# Altium PCB PCB1.PcbDoc (continued)
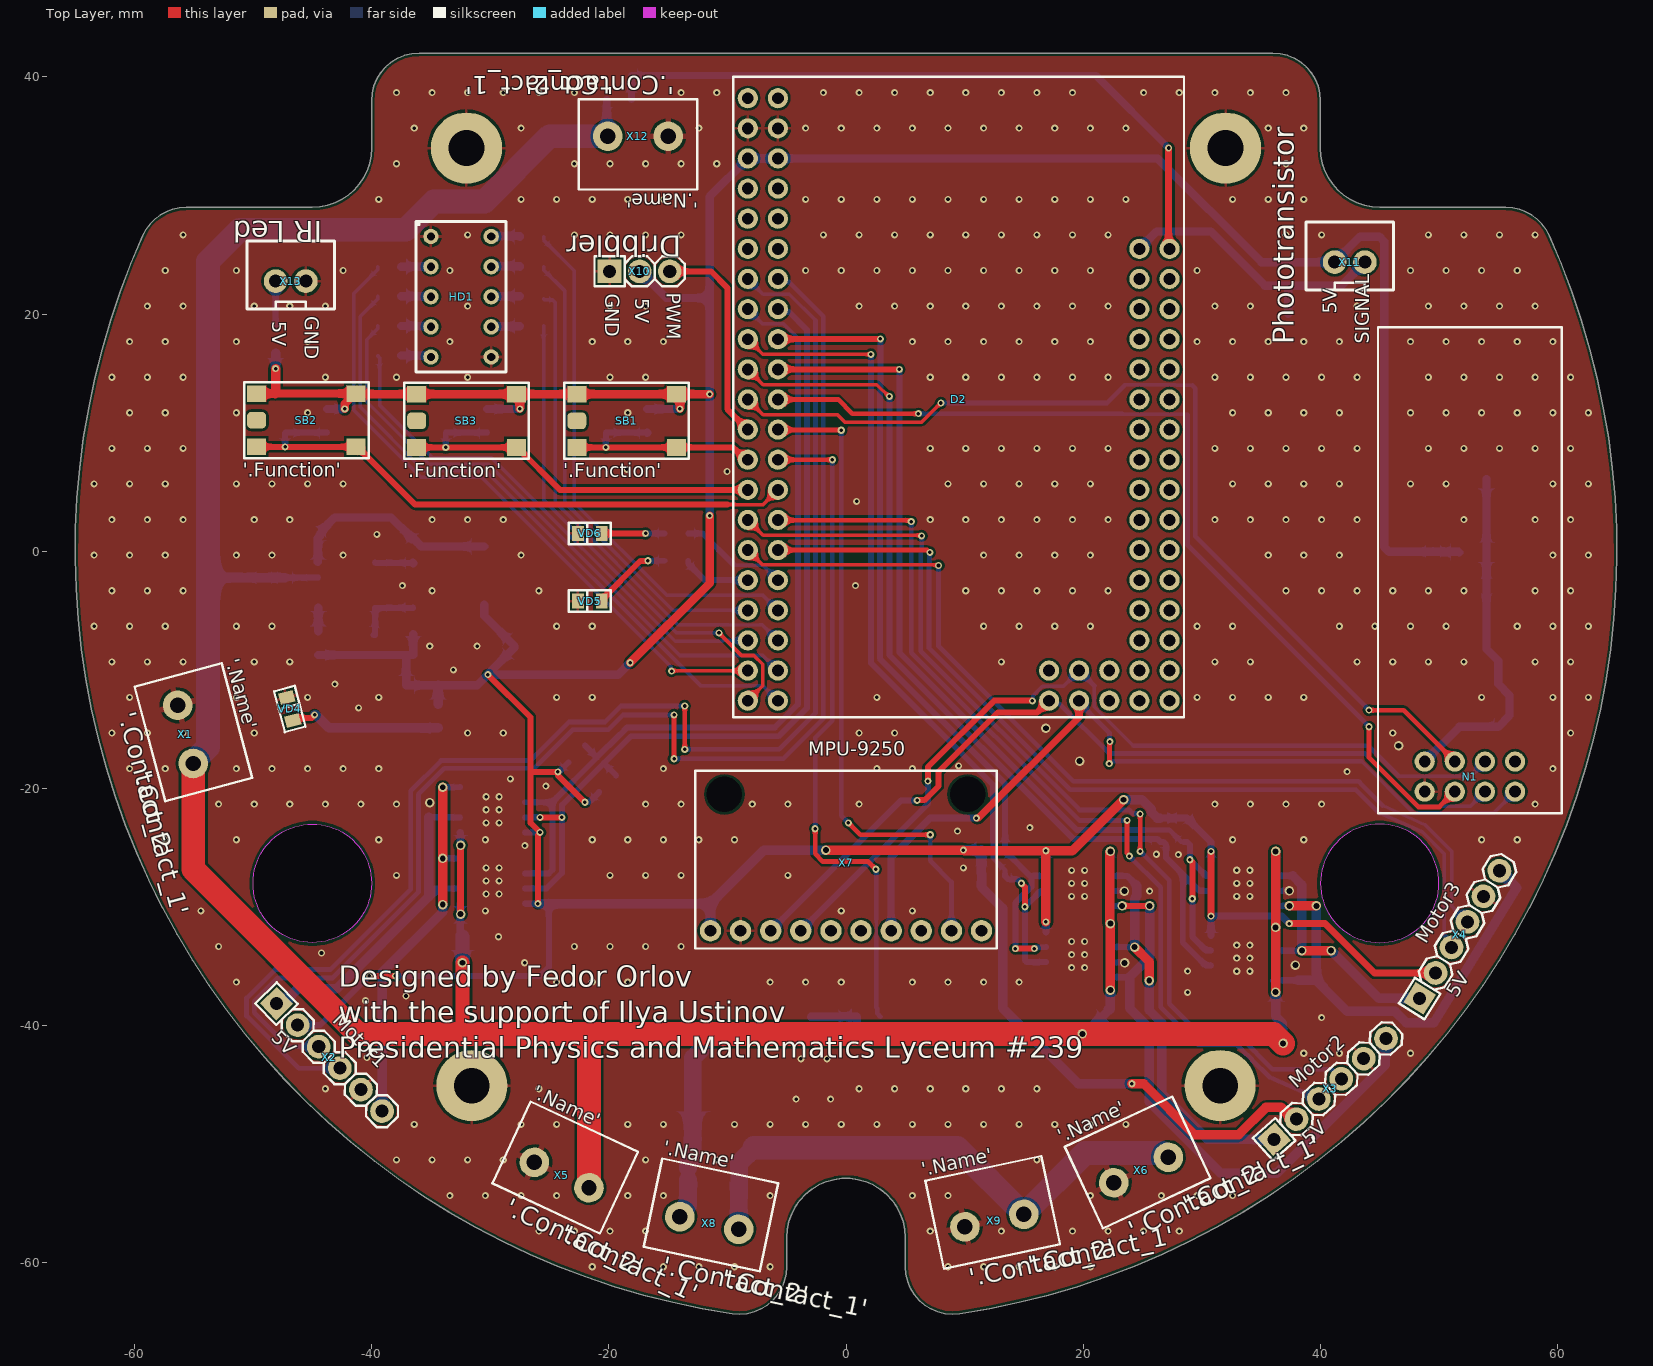
[diagram p0: Top Layer view]
## Footprints (in the part's own frame and the unit in brackets; to place one, negate y for a bottom-side part, rotate by r counter-clockwise, add the part's x,y. Pads: shape width x height; smd on the part's side, far side on the other; paste and mask are expansions set on the pad) (continued)
  oval 1.45x0.6 smd: 1(-2.725,1.905) 2(-2.725,0.635) 3(-2.725,-0.635) 4(-2.725,-1.905) 5(2.725,-1.905) 6(2.725,-0.635) 7(2.725,0.635) 8(2.725,1.905)
  rect 2.4x3.1 smd: 9(0,0)
  silkscreen extent -2.85,-2.5 1.6,2.88, body extent -3,-2.5 3,2.5, height 1.7
SOT223_M [mm] "SOT223, 4-Leads, Body 6.5x3.5mm, Pitch 2.3mm, Lead Span 7mm, IPC Low Density"
  rect 1.7x1.4 smd: 1(-3.1,2.3) 2(-3.1,0) 3(-3.1,-2.3)
  rect 1.7x4 smd: 2(3.1,0)
  silkscreen extent -3.07,-3.35 1.9,3.48, body extent -1.85,-3.35 1.85,3.35, height 1.7
"TANTAL CAPACITOR C" [mm] "Tatntalum capacitor, C package"
  rect 2.03x2.28 smd: 1(-2.54,0) 2(2.54,0)
  silkscreen extent -3.83,-1.6 3.83,1.6, body extent -3,-1.6 3,1.6, height 2.51
"TANTAL CAPACITOR D" [mm]
  rect 2.6x4.3 smd: 1(-3.65,0) 2(3.65,0)
  silkscreen extent -3.65,-2.4 3.65,2.4, body extent -3.67,-2.15 3.67,2.15, height 2.91

## Part data
C1 C2 C3 C5 C6 C10 C11 C12: library part "Capacitor ceramic", "Конденсатор кер."
C4 C7 C8 C9 C13: library part "Capacitor tantal", "Конденсатор пол."
D1: "DC-DC преобразователь"
D2: "Микроконтроллер"
D3 D4 D5 D6 D7 D8: "Драйвер моторов"
L1: library part "Throttle B82472G"
R1 R2 R3 R4 R5 R6 R7 R8 R9 R10 R11 R12 R13 R14 R15 R16 R17 R18 R19 R20 R21 R22 R23 R24 R25 R26 R27 R28 R29: library part "Резистор  0,125Вт", "Резистор  0,125Вт", Power rating=0,125Вт
SB1 SB2 SB3: library part Button_SMD, "Кнопка без фиксации"
  SB1: Function=CH+
  SB2: Function=CH-
  SB3: Function=ENTER
VD1: library part "Diode TVS", "Защитный диод (Супрессор)", Name="SMAJ 5.0"
VD2 VD3: library part DiodeSchottky, "Диод Шоттки"
  VD3: Imax=1A, Name=10BQ100, Vr=100V
VD4 VD5 VD6: library part LED, "Светодиод SMD", Forward voltage; 25мА=2,15В, Manufacturer=KGB, Max. forward current (continuous)=25мА, Package=0603
VT1: library part N_MOSFET, "N-канальный транзистор", Max. drain current (continuous); 25C=82, Max. voltage drain-to-source=75, Name=IRF2807STRLPBF
X1 X5 X6 X8 X9 X11 X12 X13: library part Header_2_plg, "Разъем - 2 конт. вилка"
  X1: Contact_1=+, Contact_2=-, Name=Battery
  X5: Contact_1=+, Contact_2=-, Name="OUT 12V"
  X6: Contact_1=+, Contact_2=-, Name="IN 50V"
  X8: Contact_1=+, Contact_2=-, Name=SOLENOID
  X9: Contact_1=+, Contact_2=-, Name=Capacitor
  X11: Contact_1=Contact_1, Contact_2=Contact_2, Name=phototransistor
  X12: Contact_1=+, Contact_2=-, Name="12V DRIBBLER"
  X13: Contact_1=Contact_1, Contact_2=Contact_2, Name="IR Led"
X2 X3 X4: library part Header_6_plg, "Разъем - 6 конт. вилка", Contact_1=Contact_1, Contact_2=5V, Contact_3=Contact_3, Contact_4=Contact_4, Contact_6=Contact_6
  X2: Contact_5=GNG
  X3 X4: Contact_5=GND
X10: library part Header_3_plg, "Разъем - 3 конт. вилка", Contact_1=Contact_1, Contact_2=Contact_2, Contact_3=Contact_3

## Free pads (board coordinates)
  round 6 hole 3: 1(-32,34) 1(-31.547,-45.053) 1(31.547,-45.053) 1(32,34)

## Via types
v1: diameter 0.6, hole 0.3, Top Layer to Bottom Layer, tented both sides, 616 vias
v2: diameter 0.8, hole 0.5, Top Layer to Bottom Layer, tented both sides, 32 vias

## Nets (pads, with @x,y where several pads share a name; then routed paths per layer and width w, separated by ;. In a path a pad name is that pad's centre, name@x,y a point inside that pad or via, vN(x,y) a via of type N, cw(c..) or ccw(c..) an arc to the next point about the centre after c; other vN are vias at no path point)
3.3V: C6.2 C13.1 D1.2 N1.2 | length 29.5
  Bottom Layer w0.7: N1.2@48.8,-17.7 48.812,-17.7 51.712,-14.8 55,-14.8 55.95,-13.85 55.95,-12.15 55,-11.2 55,-10.79 55,-9.25 54,-8.25 C6.2 54,-0.1 D1.2@54,6.1
+5: C4.1 C5.2 C10.2 C11.2 C12.2 D1.3 D2.73 D3.4 D4.4 D5.4 D6.4 D7.4 D8.4 L1.1 R1.2 R2.1 R4.2 R6.2 R7.2 R8.2 R9.2 R24.2 R28.1 R29.2 SB1.1 SB2.1 SB3.1 VD1.1 X2.2 X3.2 X4.2 X7.1 X10.2 X11.1 | length 446.6
  Top Layer w0.5: v1(-40.2,-35.8) v1(-38,-35.8) ; v1(-30.2,-10.4) -26.604,-13.996 -26.604,-18.581 ; v1(-25.975,-29.705) -25.975,-23.907 -25.8,-23.732 v1(-25.8,-23.705) -26.604,-22.901 -26.604,-18.581 ; v1(-22.023,-21.165) -24.3,-18.888 v1(-24.3,-18.6) -26.585,-18.6 -26.604,-18.581
  Top Layer w0.6: v1(30.775,-30.759) v1(30.775,-25.3) ; v1(37.378,-31.4) 40.4,-31.4 44.556,-35.556 X4.2
  Top Layer w0.7: SB2.1@-49.7,13.248 -49.652,13.295 -48.131,13.295 -41.3,13.295 -41.4,13.295 -42.266,12.429 v1(-42.266,12) ; SB2.1@-41,13.248 -36.2,13.248 -27.8,13.248 -27.5,12.948 v1(-27.5,12) ; SB3.1@-27.5,13.248 -22.7,13.248 SB1.1@-14.3,13.248 ; v1(-18.2,-9.4) -11.5,-2.7 v1(-11.5,3) ; v1(-14,12) -14,12.947 SB1.1@-14.3,13.248 ; v1(-11.5,13.248) SB1.1@-14.3,13.248
  Top Layer w0.8: -48.131,13.295 -48.1,13.326 v1(-48.1,15.4) ; v2(-1.7,-25.2) v1(9.9,-25.2) 9.955,-25.255 v1(16.85,-25.255) ; v1(16.85,-31.255) v1(16.85,-25.255) ; v2(23.4,-20.954) 23.392,-20.954 19.091,-25.255 v1(16.85,-25.255) ; v1(24.1,-44.9) 25.1,-44.9 29.4,-49.2 33.1,-49.2 35.4,-46.9 36.68,-46.9 37.661,-47.881 X3.2
  Bottom Layer w0.5: X2.2 -44.357,-39.957 v1(-40.2,-35.8) ; v1(-38,-35.8) -25.8,-35.8 -25.058,-35.058 -25.058,-29.705 ; D3.4 v1(-25.975,-29.705) ; D6.4 v1(-25.8,-23.705) ; v1(-24.3,-18.6) -24.281,-18.581 -24.181,-18.581 R29.2 ; v1(-22.023,-21.165) -21.665,-21.165 R4.2
  Bottom Layer w0.6: D4.4 v1(16.85,-31.255) ; D7.4 v1(16.85,-25.255) ; R9.2 R8.2 28.75,-22.5 30.775,-24.525 v1(30.775,-25.3) D5.4 ; D8.4 v1(30.775,-30.759) 36.737,-30.759 v1(37.378,-31.4)
  Bottom Layer w0.7: R2.1 -37.041,-8.75 ; C11.2 v1(-42.266,12) ; R1.2@-36.5,-7 -36.5,-8.75 -37.041,-8.75 ; L1.1 -30.5,-5.46 C4.1 -27.96,-8.125 -30.2,-10.365 v1(-30.2,-10.4) ; C12.2 v1(-27.5,12) ; v1(-18.2,-9.4) -19.2,-10.4 v1(-30.2,-10.4) ; X10.2 -15.154,21.354 -11.5,21.354 ; C10.2 v1(-14,12) ; v1(-11.5,3) -11.5,21.354 ; D1.3 51.65,-0.05 49.55,-0.05 C5.2 49.459,-0.041 45.785,-0.041 45.375,0.369 45.375,26.115 44.965,26.525 43.355,26.525 X11.1 35.025,24.375 26.28,33.12 -5.74,33.12 -8.28,33.12 -11.5,29.9 -11.5,21.354 ; -37.041,-8.75 -37.085,-8.794 VD1.1 -34.4,-11.3 -31.1,-11.3 v1(-30.2,-10.4)
  Bottom Layer w0.8: v1(-48.1,15.4) R28.1 ; R24.2 -34.4,-11.3 ; v1(-25.975,-29.705) -25.058,-29.705 -11.43,-29.705 ; X7.1 -11.43,-29.705 ; v2(-1.7,-25.2) -6.925,-25.2 -11.43,-29.705 ; v1(9.9,-25.2) R6.2@11.371,-25.2 ; R6.2 R7.2 11.436,-27.175 11.436,-28.336 13.2,-30.1 13.2,-38.5 19.6,-44.9 v1(24.1,-44.9) ; v2(23.4,-20.954) 24.949,-20.954 25.754,-21.759 25.754,-22.004 26.25,-22.5 R9.2
"Ball sensor": D2.57 R27.2 X11.2 | length 24.9
  Bottom Layer w0.7: D2.57 26.194,26.954 30.757,26.954 35.315,22.396 37.225,22.396 ; R27.2 37.3,22.321 37.225,22.396 ; X11.2@43.827,24.457 41.766,22.396 37.225,22.396
"Battery voltage": D2.56 R5.1 R12.2 | length 58.4
  Top Layer w0.6: v1(27.2,34) 27.2,25.58 D2.56
  Bottom Layer w0.6: R5.1 R12.2 21.1,40.1 v1(27.2,34)
"Button CH+": C10.1 D2.17 R13.2 SB1.2 | length 19.6
  Top Layer w0.5: SB1.2@-22.7,8.752 v1(-20.25,8.752) -14.3,8.752 -9.51,8.752 -8.478,7.72 D2.17
  Bottom Layer w0.5: v1(-20.25,8.752) R13.2 C10.1
"Button CH-": C11.1 D2.18 R14.2 SB2.2 | length 51.2
  Top Layer w0.3: -10,3.926 -6.994,3.926 D2.18
  Top Layer w0.5: SB2.2@-49.7,8.8 v1(-47.3,8.8) -41.3,8.8 -41.2,8.8 -36.326,3.926 -10,3.926
  Bottom Layer w0.5: v1(-47.3,8.8) -47.3,9.95 R14.2 C11.1
"Button Enter": C12.1 D2.19 R15.2 SB3.2 | length 34
  Top Layer w0.5: SB3.2@-36.2,8.752 v1@-33.929,8.752 ; v1(-33.75,8.752) -27.8,8.752 -27.7,8.752 -24.128,5.18 D2.19
  Bottom Layer w0.5: v1(-33.75,8.752) R15.2 C12.1
"Chip enable NRF": D2.12 N1.3 | length 79.8
  Top Layer w0.4: D2.12 -0.671,12.8 0.529,11.6 v1(6.1,11.6) ; v1(44.1,-14.8) 44.1,-17.408 48.248,-21.556 50.036,-21.556 N1.3@51.328,-20.264
  Bottom Layer w0.3: 23.3,11.6 23.354,11.546 28.754,11.546 28.8,11.5
  Bottom Layer w0.4: v1(6.1,11.6) 23.3,11.6 ; 28.8,11.5 28.8,0.5 v1(44.1,-14.8)
"Chip Select MPU": D2.14 X7.9 | length 54.9
  Top Layer w0.4: D2.14 -5.71,10.23 -0.43,10.23 v1(-0.4,10.2) ; v1(0.2,-22.9) 1.2,-23.9 v1(7.1,-23.9)
  Bottom Layer w0.4: v1(-0.4,10.2) -0.4,-22.3 v1(0.2,-22.9) ; v1(7.1,-23.9) 7.1,-26.1 8.89,-27.89 X7.9
"Chip Select NRF": D2.13 N1.4 | length 82.2
  Top Layer w0.3: D2.13 -6.994,11.514 -0.718,11.514 -0.1,10.896 6.396,10.896 v1(8,12.5)
  Top Layer w0.4: v1(44.1,-13.4) 47.016,-13.4 N1.4@51.34,-17.724
  Bottom Layer w0.3: 23.5,14 23.554,14.054 27.799,14.054 27.853,14 29.2,14
  Bottom Layer w0.4: v1(8,12.5) 22,12.5 23.5,14 ; 29.2,14 29.454,13.746 29.454,1.246 v1(44.1,-13.4)
GND: C2.1 C3.1 C4.2 C5.1 C6.1 C7.2 C8.2 C9.2 C13.2 D1.1 D2.75 D3.1 D3.7 D3.9 D4.1 D4.7 D4.9 D5.1 D5.7 D5.9 D6.1 D6.7 D6.9 D7.1 D7.7 D7.9 D8.1 D8.7 D8.9 D9.2 D9.3 D9.6 HD1.5 HD1.10 N1.1 pad.1 R3.1 R11.1 R12.1 R13.1 R14.1 R15.1 R27.1 VD1.2 VD2.2 VD4.1 VD5.1 VD6.1 VT1.3 X1.2 X2.5 X3.5 X4.5 X5.2 X6.2 X7.2 X9.2 X10.1 X12.2 X13.2 | length 3.6
  Bottom Layer w0.5: D4.7@22.3,-34.6 22.359,-34.659 23.459,-34.659 v2(23.5,-34.7) ; D7.7 22.305,-28.645 23.47,-28.645 v2(23.475,-28.65) ; D5.7 v2(37.378,-28.635)
  other v1: -21.4,-60.325 -18.4,-60.325 -15.4,-60.325 -12.4,-60.325 -9.4,-60.325 -6.4,-60.325 8.6,-60.325 11.6,-60.325 14.6,-60.325 17.6,-60.325 20.6,-60.325 -25.9,-57.325 -22.9,-57.325 -19.9,-57.325 -16.9,-57.325 7.1,-57.325 13.1,-57.325 19.1,-57.325 22.1,-57.325 25.1,-57.325 28.1,-57.325 -33.4,-54.325 -30.4,-54.325 -27.4,-54.325 -24.4,-54.325 -18.4,-54.325 -15.4,-54.325 -6.4,-54.325 5.6,-54.325 8.6,-54.325 20.6,-54.325 26.6,-54.325 29.6,-54.325 32.6,-54.325 -37.9,-51.325 -34.9,-51.325 -31.9,-51.325 -28.9,-51.325 -16.9,-51.325 -10.9,-51.325 16.1,-51.325 -36.4,-48.325 -27.4,-48.325 -24.4,-48.325 -18.4,-48.325 -15.4,-48.325 -9.4,-48.325 -6.4,-48.325 -3.4,-48.325 -0.4,-48.325 2.6,-48.325 5.6,-48.325 8.6,-48.325 11.6,-48.325 14.6,-48.325 17.6,-48.325 20.6,-48.325 23.6,-48.325 -4.2,-46.2 -1.3,-46.2 -43.9,-45.325 -25.9,-45.325 1.1,-45.325 4.1,-45.325 7.1,-45.325 10.1,-45.325 13.1,-45.325 16.1,-45.325 -3.8,-42.8 -1.6,-42.8 -40.4,-42.7 38.6,-42.325 41.6,-42.325 47.6,-42.325 40.1,-39.325 -40.5,-37.9 -37.1,-37.5 28.8,-37.2 -51.4,-36.325 -24.4,-36.325 -21.4,-36.325 -18.4,-36.325 -6.4,-36.325 -3.4,-36.325 -0.4,-36.325 5.6,-36.325 8.6,-36.325 11.6,-36.325 14.6,-36.325 28.8,-35.4 32.95,-35.409 34.05,-35.409 19.025,-35.105 20.125,-35.105 -27.1,-34.7 32.95,-34.309 34.05,-34.309 19.025,-34.005 20.125,-34.005 -44.225,-33.875 -52.9,-33.325 -22.9,-33.325 -19.9,-33.325 -16.9,-33.325 -13.9,-33.325 32.95,-33.209 34.05,-33.209 19.025,-32.905 20.125,-32.905 -29.3,-32.5 -54.4,-30.325 -30.4,-30.325 -0.4,-30.325 5.6,-30.325 19.025,-29.105 20.125,-29.105 32.95,-29.1 34.05,-29.1 -30.35,-28.9 -29.25,-28.9 25.6,-28.65 19.025,-28.005 20.125,-28.005 32.95,-28 34.05,-28 -30.35,-27.8 -29.25,-27.8 -37.9,-27.325 -19.9,-27.325 -16.9,-27.325 -13.9,-27.325 -4.9,-27.325 19.025,-26.905 20.125,-26.905 32.95,-26.9 34.05,-26.9 -30.35,-26.7 -29.25,-26.7 9.9,-26.7 28.025,-25.575 26.175,-25.55 -27.075,-24.825 -57.4,-24.325 -51.4,-24.325 -39.4,-24.325 -30.4,-24.325 -21.4,-24.325 -18.4,-24.325 -15.4,-24.325 -12.4,-24.325 -9.4,-24.325 32.6,-24.325 38.6,-24.325 53.6,-24.325 56.6,-24.325 9.4,-23.6 15.5,-23.3 -30.35,-22.9 -29.25,-22.9 -30.35,-21.8 -29.25,-21.8 -58.9,-21.325 -52.9,-21.325 -49.9,-21.325 -46.9,-21.325 -43.9,-21.325 -40.9,-21.325 -37.9,-21.325 -16.9,-21.325 -13.9,-21.325 -7.9,-21.325 -4.9,-21.325 1.1,-21.325 31.1,-21.325 34.1,-21.325 37.1,-21.325 40.1,-21.325 58.1,-21.325 -30.35,-20.7 -29.25,-20.7 -25.3,-19.8 -28.3,-19.2 42.25,-18.575 -60.4,-18.325 -57.4,-18.325 -51.4,-18.325 -48.4,-18.325 -45.4,-18.325 -42.4,-18.325 -39.4,-18.325 -15.4,-18.325 2.6,-18.325 5.6,-18.325 59.6,-18.325 9.5,-18.1 -61.9,-15.325 -58.9,-15.325 -55.9,-15.325 -49.9,-15.325 -31.9,-15.325 -28.9,-15.325 1.1,-15.325 4.1,-15.325 46.1,-15.325 61.1,-15.325 -41.1,-13.2 -60.4,-12.325 -51.4,-12.325 -45.4,-12.325 -39.4,-12.325 -24.4,-12.325 -21.4,-12.325 2.6,-12.325 29.6,-12.325 32.6,-12.325 35.6,-12.325 38.6,-12.325 53.6,-12.325 59.6,-12.325 62.6,-12.325 -43.1,-11.2 -33.1,-10 -61.9,-9.325 -58.9,-9.325 -55.9,-9.325 -49.9,-9.325 -46.9,-9.325 13.1,-9.325 31.1,-9.325 34.1,-9.325 43.1,-9.325 46.1,-9.325 49.1,-9.325 52.1,-9.325 58.1,-9.325 61.1,-9.325 -35.1,-8 -31.1,-8 -63.4,-6.325 -60.4,-6.325 -57.4,-6.325 -51.4,-6.325 -48.4,-6.325 -24.4,-6.325 -21.4,-6.325 11.6,-6.325 14.6,-6.325 17.6,-6.325 20.6,-6.325 29.6,-6.325 32.6,-6.325 41.6,-6.325 44.6,-6.325 47.6,-6.325 50.6,-6.325 56.6,-6.325 59.6,-6.325 62.6,-6.325 -61.9,-3.325 -58.9,-3.325 -55.9,-3.325 -34.9,-3.325 -25.9,-3.325 10.1,-3.325 13.1,-3.325 16.1,-3.325 19.1,-3.325 22.1,-3.325 37.1,-3.325 40.1,-3.325 43.1,-3.325 46.1,-3.325 49.1,-3.325 52.1,-3.325 58.1,-3.325 61.1,-3.325 -37.4,-2.9 0.8,-2.9 -63.4,-0.325 -60.4,-0.325 -57.4,-0.325 -51.4,-0.325 -48.4,-0.325 -42.4,-0.325 -27.4,-0.325 11.6,-0.325 14.6,-0.325 17.6,-0.325 20.6,-0.325 35.6,-0.325 38.6,-0.325 41.6,-0.325 59.6,-0.325 62.6,-0.325 -39.55,1.425 -61.9,2.675 -58.9,2.675 -55.9,2.675 -49.9,2.675 -46.9,2.675 -34.9,2.675 -31.9,2.675 -28.9,2.675 7.1,2.675 10.1,2.675 13.1,2.675 16.1,2.675 19.1,2.675 22.1,2.675 31.1,2.675 34.1,2.675 37.1,2.675 40.1,2.675 43.1,2.675 52.1,2.675 58.1,2.675 61.1,2.675 0.9,4.2 -63.4,5.675 -60.4,5.675 -57.4,5.675 -51.4,5.675 -48.4,5.675 -45.4,5.675 -42.4,5.675 8.6,5.675 11.6,5.675 14.6,5.675 17.6,5.675 20.6,5.675 32.6,5.675 35.6,5.675 38.6,5.675 41.6,5.675 47.6,5.675 50.6,5.675 59.6,5.675 62.6,5.675 -10.025,6.725 -18.475,6.9 -61.9,8.675 -58.9,8.675 -55.9,8.675 7.1,8.675 10.1,8.675 13.1,8.675 16.1,8.675 19.1,8.675 22.1,8.675 31.1,8.675 34.1,8.675 37.1,8.675 40.1,8.675 43.1,8.675 49.1,8.675 52.1,8.675 55.1,8.675 58.1,8.675 61.1,8.675 -60.4,11.675 -57.4,11.675 -51.4,11.675 -45.4,11.675 -18.4,11.675 32.6,11.675 35.6,11.675 38.6,11.675 41.6,11.675 47.6,11.675 50.6,11.675 53.6,11.675 56.6,11.675 59.6,11.675 62.6,11.675 -61.9,14.675 -58.9,14.675 -55.9,14.675 -43.9,14.675 -37.9,14.675 -31.9,14.675 -19.9,14.675 -16.9,14.675 7.1,14.675 10.1,14.675 13.1,14.675 16.1,14.675 19.1,14.675 22.1,14.675 31.1,14.675 34.1,14.675 37.1,14.675 40.1,14.675 43.1,14.675 49.1,14.675 52.1,14.675 55.1,14.675 58.1,14.675 61.1,14.675 -60.4,17.675 -57.4,17.675 -51.4,17.675 -45.4,17.675 -33.4,17.675 -21.4,17.675 -18.4,17.675 -15.4,17.675 5.6,17.675 8.6,17.675 11.6,17.675 14.6,17.675 17.6,17.675 20.6,17.675 29.6,17.675 32.6,17.675 35.6,17.675 38.6,17.675 41.6,17.675 47.6,17.675 50.6,17.675 53.6,17.675 56.6,17.675 59.6,17.675 -58.9,20.675 -55.9,20.675 -49.9,20.675 -46.9,20.675 -43.9,20.675 -31.9,20.675 -19.9,20.675 -16.9,20.675 1.1,20.675 4.1,20.675 7.1,20.675 10.1,20.675 13.1,20.675 16.1,20.675 19.1,20.675 22.1,20.675 31.1,20.675 34.1,20.675 43.1,20.675 49.1,20.675 52.1,20.675 55.1,20.675 58.1,20.675 -57.4,23.675 -51.4,23.675 -42.4,23.675 -33.4,23.675 -3.4,23.675 -0.4,23.675 2.6,23.675 5.6,23.675 8.6,23.675 11.6,23.675 14.6,23.675 17.6,23.675 20.6,23.675 29.6,23.675 47.6,23.675 50.6,23.675 53.6,23.675 56.6,23.675 -55.9,26.675 -31.9,26.675 -22.9,26.675 -19.9,26.675 -16.9,26.675 -13.9,26.675 -1.9,26.675 1.1,26.675 4.1,26.675 7.1,26.675 10.1,26.675 13.1,26.675 16.1,26.675 19.1,26.675 22.1,26.675 37.1,26.675 40.1,26.675 49.1,26.675 52.1,26.675 55.1,26.675 58.1,26.675 -39.4,29.675 -27.4,29.675 -24.4,29.675 -21.4,29.675 -18.4,29.675 -15.4,29.675 -3.4,29.675 -0.4,29.675 2.6,29.675 5.6,29.675 8.6,29.675 11.6,29.675 14.6,29.675 17.6,29.675 20.6,29.675 23.6,29.675 32.6,29.675 35.6,29.675 38.6,29.675 -37.9,32.675 -22.9,32.675 -19.9,32.675 -16.9,32.675 -13.9,32.675 -10.9,32.675 37.1,32.675 -36.4,35.675 -27.4,35.675 -12.4,35.675 -3.4,35.675 -0.4,35.675 2.6,35.675 5.6,35.675 8.6,35.675 11.6,35.675 14.6,35.675 17.6,35.675 20.6,35.675 23.6,35.675 35.6,35.675 38.6,35.675 -37.9,38.675 -34.9,38.675 -31.9,38.675 -28.9,38.675 -25.9,38.675 -22.9,38.675 -13.9,38.675 -10.9,38.675 -1.9,38.675 1.1,38.675 4.1,38.675 7.1,38.675 10.1,38.675 13.1,38.675 16.1,38.675 19.1,38.675 25.1,38.675 28.1,38.675 31.1,38.675 34.1,38.675 37.1,38.675
  other v2: 37.9,-34.9 -35.1,-21.2 19.695,-17.7 46.6,-16.4 16.85,-14.925
"Light Blue": D2.24 R26.2 | length 9.2
  Bottom Layer w0.3: -9.5,-1.1 -9.414,-1.186 -6.994,-1.186 D2.24
  Bottom Layer w0.5: R26.2 -12.1,1.5 -9.5,-1.1
"Light Green": D2.25 R25.2 | length 5.8
  Bottom Layer w0.5: R25.2 -13.3,-1.05 -11.91,-2.44 D2.25
M1_enc1: D2.4 X2.3 | length 114.6
  Top Layer w0.4: v1(-14.5,-17.5) v1(-14.5,-13.8)
  Bottom Layer w0.4: X2.3 -47.028,-41.77 -49.885,-38.913 -49.885,-37.943 -47.917,-35.975 -43.275,-35.975 -36.054,-28.754 -36.054,-20.479 -33.875,-18.3 -26.304,-18.3 -23.058,-15.054 -20.054,-15.054 -18.8,-13.8 v1(-14.5,-13.8) ; v1(-14.5,-17.5) -5.298,-17.5 -1.908,-14.11 -1.908,19.808 -4.811,22.711 -5.491,22.711 D2.4
M1_enc2: D2.5 X2.4 | length 119.4
  Top Layer w0.4: v1(-13.6,-16.7) v1(-13.6,-13.046)
  Bottom Layer w0.3: D2.5 -6.994,21.674 -4.784,21.674 -2.562,19.452
  Bottom Layer w0.4: X2.4 -46.14,-43.583 -50.539,-39.184 -50.539,-37.672 -48.142,-35.275 -43.5,-35.275 -36.708,-28.483 -36.708,-20.617 -36.708,-20.208 -34.146,-17.646 -33.737,-17.646 -26.604,-17.646 -23.358,-14.4 -20.325,-14.4 -18.971,-13.046 v1(-13.6,-13.046) ; v1(-13.6,-16.7) -5.629,-16.7 -2.562,-13.633 -2.562,19.452
M1_IN1: D2.6 D3.3 D6.3 R4.1 | length 73.1
  Top Layer w0.5: v1(-25.8,-22.435) v1(-23.961,-22.435)
  Bottom Layer w0.5: D3.3 -25.262,-28.435 -23.961,-27.134 v1(-23.961,-22.435) -23.942,-22.416 -23.942,-21.408 -20.39,-17.856 ; D6.3 v1(-25.8,-22.435) ; R4.1 -20.39,-17.91 -20.39,-17.856 ; D2.6 -5.51,20.19 -4.81,20.19 -3.3,18.68 -3.3,-13.225 -5.675,-15.6 -18.134,-15.6 -20.39,-17.856
M1_IN2: D2.7 D3.2 D6.2 R29.1 | length 72.1
  Bottom Layer w0.3: D2.7 -7.026,19.166 -5.253,19.166 -4.054,17.967 -4.054,17.9
  Bottom Layer w0.5: D3.2 -25.058,-27.165 -24.765,-26.872 -24.765,-21.165 ; D6.2 -24.765,-21.165 ; R29.1 -21.003,-17.383 -19.12,-15.5 -19.1,-15.5 -18.446,-14.846 -5.987,-14.846 -4.054,-12.913 -4.054,17.9 ; -20.993,-17.393 -24.765,-21.165
M2_enc1: D2.20 X3.3 | length 79.5
  Top Layer w0.4: D2.20 -5.72,2.62 5.326,2.62 5.446,2.5 v1(5.5,2.5) ; v1(23.7,-22.696) 23.7,-25.446 23.9,-25.646 v1(23.9,-25.7)
  Bottom Layer w0.4: v1(5.5,2.5) 5.5,-8.538 19.658,-22.696 v1(23.7,-22.696) ; v1(23.9,-25.7) 26.55,-28.35 26.55,-38.44 29.592,-41.482 29.709,-41.599 32.949,-41.599 33.067,-41.717 33.7,-42.35 33.714,-42.364 cw(c31.547,-45.053) 34.236,-42.886 34.25,-42.9 35.679,-44.329 X3.3
M2_enc2: D2.21 X3.4 | length 83.3
  Top Layer w0.3: D2.21 -6.994,1.354 6.323,1.354 v1(6.377,1.3)
  Top Layer w0.4: v1(24.8,-25.3) v1(24.8,-22.154)
  Bottom Layer w0.4: v1(6.377,1.3) 6.377,0.271 6.3,0.193 6.3,-8.413 19.695,-21.808 23.878,-21.808 24.186,-22.116 24.762,-22.116 v1(24.8,-22.154) ; v1(24.8,-25.3) 27.25,-27.75 27.25,-38.15 30.025,-40.925 33.2,-40.925 34.153,-41.878 cw(c31.547,-45.053) 34.722,-42.447 35.95,-43.675 40.954,-43.675 X3.4
M2_IN1: D2.8 D4.3 D7.3 R6.1 | length 69.8
  Top Layer w0.5: D2.8 -5.73,17.89 2.89,17.89 v1(2.9,17.9) ; v1@14.237,-33.505 v1(14.283,-33.505) 15.885,-33.505 v1(15.891,-33.511) ; v1@14.264,-33.551 v1@14.283,-33.551
  Bottom Layer w0.5: v1(2.9,17.9) 2.9,13.445 2.854,13.399 2.854,-9.054 13.416,-19.616 R6.1@13.416,-24.935 ; R6.1 13.416,-25.405 13.666,-25.655 13.803,-25.655 15.631,-27.482 ; v1(14.283,-33.505) 14.283,-29.645 15.631,-28.297 15.631,-27.37 D7.3 ; v1(15.891,-33.511) 15.918,-33.511 16.04,-33.389 16.831,-33.389 D4.3
M2_IN2: D2.9 D4.2 D7.2 R7.1 | length 72
  Top Layer w0.3: D2.9 -7.01,16.61 -4.61,16.61 -4.6,16.6 v1(2.096,16.6)
  Top Layer w0.5: v1(14.793,-27.997) 14.793,-28.024 15.087,-28.317 v1(15.087,-29.978)
  Bottom Layer w0.4: 12.4,-24.44 12.4,-25.889 13.416,-26.905 R7.1
  Bottom Layer w0.5: v1(2.096,16.6) 2.1,16.596 2.1,-9.4 12.4,-19.7 12.4,-24.44 ; R7.1 13.416,-27.405 13.666,-27.655 14.455,-27.655 v1@14.8,-28 ; D4.2 15.226,-34.64 15.087,-34.501 v1(15.087,-29.978) 16.425,-28.64 D7.2
M3_enc1: D2.22 X4.3 | length 79.5
  Top Layer w0.4: D2.22 6.846,0.1 7.046,-0.1 v1(7.073,-0.1)
  Bottom Layer w0.3: 44.941,-22.041 48.576,-23.651 50.454,-25.529 50.454,-32.368 51.058,-32.972 X4.3
  Bottom Layer w0.4: v1(7.073,-0.1) 7.046,-0.127 7.046,-1.154 7,-1.2 7,-8.188 18.912,-20.1 43,-20.1 44.941,-22.041 45,-22.1
M3_enc2: D2.23 X4.4 | length 80
  Top Layer w0.3: D2.23 -7.026,-1.154 7.754,-1.154 v1(7.8,-1.2)
  Bottom Layer w0.3: 45.267,-21.443 48.85,-23.075 51.058,-25.283 51.058,-29.902 X4.4
  Bottom Layer w0.4: v1(7.8,-1.2) 7.8,-8.02 19.18,-19.4 43.225,-19.4 43.55,-19.725 45.267,-21.443
M3_IN1: D2.10 D5.3 D8.3 R8.1 | length 77.6
  Top Layer w0.5: D2.10 v1(4.5,15.34) ; v1(29,-26.015) 29.2,-26.215 v1(29.2,-29.3)
  Bottom Layer w0.4: 25.2,-23.5 27.25,-23.5 28.25,-24.5 R8.1
  Bottom Layer w0.5: v1(4.5,15.34) 4.497,15.337 4.497,-8.53 19.466,-23.5 25.2,-23.5 ; R8.1 28.75,-24.5 29,-24.75 29,-25.043 v1(29,-26.015) 30.35,-27.365 D5.3 ; v1(29.2,-29.3) 29.2,-32.5 30.374,-33.674 D8.3
M3_IN2: D2.11 D5.2 D8.2 R9.1 | length 79.6
  Top Layer w0.3: D2.11 -6.994,14.054 2.604,14.054 3.6,13.058 v1(3.658,13.058)
  Bottom Layer w0.5: v1(3.658,13.058) 3.65,13.05 3.65,-8.75 19.154,-24.254 26.254,-24.254 R9.1 26.75,-24.5 27,-24.75 27,-25.845 28.395,-27.24 ; D8.2 30.35,-34.944 28.395,-32.989 28.395,-27.24 ; D5.2 29.79,-28.635 28.395,-27.24
MISO: D2.52 N1.7 X7.7 | length 71.6
  Top Layer w0.4: v1(22.2,-17.9) 22.226,-17.874 22.226,-16.074 v1(22.252,-16.048)
  Top Layer w0.6: X7.7 X7.7@3.821,-31.989 ; v1(11,-22.5) 11.155,-22.5 19.643,-14.012 19.643,-12.617 D2.52
  Bottom Layer w0.3: 43.477,-17.7 47.849,-22.072 54.624,-22.072 N1.7@56.408,-20.288
  Bottom Layer w0.4: D2.52 19.66,-12.758 22.214,-15.312 22.214,-16.01 v1(22.252,-16.048) ; v1(22.2,-17.9) 22.254,-17.9 22.454,-17.7 43.477,-17.7
  Bottom Layer w0.6: X7.7 3.81,-25.792 7.102,-22.5 v1(11,-22.5)
MOSI: D2.53 N1.6 X7.4 | length 74.1
  Top Layer w0.5: v1(6.904,-19.384) 6.904,-18.196 12.5,-12.6 15.698,-12.6 v1(15.716,-12.618)
  Bottom Layer w0.3: v1(15.716,-12.618) 15.774,-12.561 15.774,-12.173 16.572,-11.375 18.345,-11.375 D2.53 ; 20.946,-11.346 20.946,-13.119 24.219,-16.392 ; 46.534,-18.907 46.605,-18.978 52.638,-18.978 N1.6@53.88,-17.736
  Bottom Layer w0.4: D2.53 20.946,-11.346 ; 24.219,-16.392 44.019,-16.392 46.385,-18.758 46.534,-18.907
  Bottom Layer w0.5: X7.4 6.923,-21.267 6.923,-19.403 v1(6.904,-19.384)
NetC1_1: C1.1 D9.8 L1.2 VD2.1 | length 18.1
  Bottom Layer w0.7: D9.8@-44.535,-0.91 -44.535,1.085 -44.38,1.24 -44.38,1.395 -44.17,1.605 VD2.1@-44.17,1.795 ; VD2.1@-44.17,1.76 VD2.1@-44.17,1.795 ; L1.2 -35.815,0.4 -36.225,0.81 -36.225,0.85 -36.375,1 -36.625,1 -36.775,1.15 -36.775,1.275 -38.346,2.846 -43.119,2.846 VD2.1@-44.17,1.795
NetC1_2: C1.2 D9.1 | length 3.2
  Bottom Layer w0.5: D9.1 -39.68,-0.98 C1.2@-36.52,-0.98
  Bottom Layer w0.7: C1.2@-36.52,-0.98 C1.2
NetD3_6: D3.6 D6.6 X2.1 | length 28.7
  Bottom Layer w0.5: -35.2,-22.435 D6.6 ; -34.5,-28.435 D3.6
  Bottom Layer w0.6: X2.1 X2.1@-47.482,-38.145
  Bottom Layer w0.8: X2.1@-47.482,-38.145 -46.238,-36.9 -42.965,-36.9 -35.2,-29.135 ; -35.2,-22.435 -35.2,-29.135 ; -34.658,-28.593 -35.2,-29.135
NetD3_8: D3.8 D6.8 X2.6 | length 32.4
  Top Layer w0.8: v2(-34,-29.8) v2(-34,-19.9)
  Bottom Layer w0.5: v2(-34,-25.9) -33.998,-25.897 -32.527,-25.897 D3.8 ; v2(-34,-19.9) -33.997,-19.897 -32.527,-19.897 D6.8
  Bottom Layer w0.8: X2.6 -39.121,-35.529 -34,-30.408 v2(-34,-29.8)
NetD4_6: D4.6 D7.6 X3.1 | length 34.2
  Top Layer w0.8: v2(24.335,-33.37) 25.571,-34.606 v2(25.571,-36.2)
  Bottom Layer w0.5: D4.6 v2(24.335,-33.37) ; D7.6 23.686,-27.37 24.401,-28.085
  Bottom Layer w0.8: v2(24.335,-33.37) 24.335,-29.281 24.529,-29.087 24.529,-28.213 24.401,-28.085 ; v2(25.571,-36.2) 25.571,-38.696 26.625,-39.75 26.625,-45.725 30.481,-49.581 X3.1
NetD4_8: D4.8 D7.8 X3.6 | length 51.3
  Top Layer w0.5: v2(23.281,-29.91) v2(25.6,-29.91)
  Bottom Layer w0.5: D4.8 23.925,-35.91 ; D7.8 v2(23.281,-29.91)
  Bottom Layer w0.8: v2(25.6,-29.91) 25.6,-34.235 23.925,-35.91 23.925,-38.541 25.571,-40.187 25.571,-46.424 31.613,-52.466 36.304,-52.466 45.487,-43.283 45.487,-41.132 X3.6
NetD5_6: D5.6 D8.6 X4.1 | length 21.9
  Top Layer w0.8: v2(38.432,-33.674) v2(40.9,-33.674)
  Bottom Layer w0.5: D8.6 v2(38.432,-33.674) ; D5.6 37.665,-27.365
  Bottom Layer w0.8: 37.665,-27.365 38.432,-28.132 v2(38.432,-33.674) ; v2(40.9,-33.674) 44.936,-37.71 X4.1
NetD5_8: D5.8 D8.8 X4.6 | length 40.2
  Top Layer w0.8: v2(37.378,-29.905) v2(39.669,-29.905)
  Bottom Layer w0.5: D8.8@36.018,-36.214 36.037,-36.195 36.533,-36.195 36.546,-36.182 38.1,-36.182 ; D5.8 v2(37.378,-29.905)
  Bottom Layer w0.8: 38.1,-36.182 39.651,-36.182 42.269,-38.8 46.3,-38.8 47.242,-39.742 49.577,-39.742 56.55,-28.354 55.136,-26.94 X4.6 ; 39.669,-36.2 v2(39.669,-29.905)
NetD9_4: D9.4 R1.1 R3.2 | length 5.6
  Bottom Layer w0.5: R3.2 -39.7,-7.075 D9.4 -36.5,-4.77 R1.1
NetD9_5: D9.5 R2.2 | length 2
  Bottom Layer w0.7: R2.2 D9.5
NetHD1_1: HD1.1 R16.1 | length 2.5
  Bottom Layer w0.7: HD1.1@-29.92,26.58 -27.5,26.58 R16.1
NetHD1_2: HD1.2 R18.1 | length 2.5
  Bottom Layer w0.7: R18.1 HD1.2 HD1.2@-35,24.04
NetHD1_3: HD1.3 R20.1 | length 2.5
  Bottom Layer w0.7: HD1.3@-29.92,24.04 -27.5,24.04 R20.1
NetHD1_4: HD1.4 R22.1 | length 2.5
  Bottom Layer w0.7: R22.1 HD1.4@-35,21.5
NetHD1_6: HD1.6 R17.2 | length 2.5
  Bottom Layer w0.7: R17.2 -35,19 HD1.6@-35,18.96
NetHD1_7: HD1.7 R19.2 | length 2.4
  Bottom Layer w0.7: HD1.7@-29.92,21.5 R19.2
NetHD1_8: HD1.8 R21.2 | length 2.6
  Bottom Layer w0.7: R21.2 -35,16.5 HD1.8@-35,16.42
NetHD1_9: HD1.9 R23.2 | length 2.5
  Bottom Layer w0.7: HD1.9@-29.92,18.96 -27.5,18.96 R23.2
NetR10_2: R10.2 R11.2 VT1.1 | length 5.8
  Bottom Layer w0.7: VT1.1@-2.95,-39.24 R10.2 R11.2
NetR24_1: R24.1 VD4.2 | length 12.9
  Top Layer w0.5: VD4.2 -46.421,-14.046 -45.046,-14.046 v1(-44.8,-13.8)
  Bottom Layer w0.8: v1(-44.8,-13.8) -44.7,-13.8 -43.6,-14.9 R24.1
NetR25_1: R25.1 VD5.2 | length 6.8
  Top Layer w0.5: VD5.2 -20.6,-4.075 -17.344,-0.819 -16.719,-0.819 v1(-16.7,-0.8)
  Bottom Layer w0.5: v1(-16.7,-0.8) R25.1
NetR26_1: R26.1 VD6.2 | length 5.4
  Top Layer w0.5: VD6.2@-20.6,1.625 VD6.2 v1@-16.9,1.5
  Bottom Layer w0.5: v1(-16.9,1.5) R26.1
NetR28_2: R28.2 X13.1 | length 4.1
  Bottom Layer w0.5: R28.2 X13.1@-48.1,22.775
NetVD3_1: VD3.1 X6.1 X8.1 X9.1 | length 46.9
  Bottom Layer w1.5: X8.1 VD3.1@-9.004,-52 ; VD3.1 -9.044,-51.61 -7.734,-50.3
  Bottom Layer w2: -7.734,-50.3 9.386,-50.3 X9.1 20.153,-50.743 26.69,-50.743 27.047,-51.1 X6.1
NetVD3_2: VD3.2 VT1.2 X8.2 | length 14.1
  Bottom Layer w1.5: X8.2 -14.013,-55.842 -13.324,-55.153 -13.324,-53.01 VD3.2@-13.314,-53 ; VD3.2 -13.314,-51.61 -12.929,-51.225 -12.929,-42.739 VT1.2
PWM_Dribler: D2.15 X10.3 | length 18.1
  Top Layer w0.5: X10.3 -11.389,23.6 -10,22.211 -10,11.98 D2.15
SCK: D2.54 N1.5 X7.3 | length 73.2
  Top Layer w0.5: v1(6,-21) 6.019,-20.981 6.619,-20.981 7.8,-19.8 7.8,-18.6 12.8,-13.6 16.12,-13.6 D2.54
  Bottom Layer w0.3: 43.748,-17.046 48.22,-21.518 52.626,-21.518 N1.5@53.868,-20.276
  Bottom Layer w0.4: D2.54 17.369,-12.849 17.986,-12.849 22.183,-17.046 43.748,-17.046
  Bottom Layer w0.5: X7.3 4.65,-21 v1(6,-21)
"Segment A": D2.26 R16.2 | length 44.4
  Bottom Layer w0.3: R16.2 -25.5,26.25 -22.9,23.65 -22.9,4.1 -15.074,-3.726 -6.994,-3.726 D2.26
"Segment B": D2.27 R20.2 | length 39.8
  Bottom Layer w0.3: R20.2 -25.5,23.75 -23.733,21.983 -23.733,4.15 -14.603,-4.98 D2.27
"Segment C": D2.28 R19.1 | length 41.6
  Bottom Layer w0.3: R19.1@-25.5,21.304 -25.386,21.19 -24.726,21.19 -24.5,20.964 -24.5,4.133 -14.183,-6.184 -9.916,-6.184 -8.319,-6.233 ccw(c-8.28,-4.98) -8.212,-6.232 -7.325,-6.184 -7.076,-6.184 D2.28
"Segment D": D2.29 R21.1 | length 43.6
  Bottom Layer w0.3: R21.1 -39.33,16.33 -39.33,12.33 -34.9,7.9 -29.9,7.9 -14.408,-7.592 -10.417,-7.592 -10.345,-7.52 D2.29
"Segment DP": D2.33 R23.1 | length 42.5
  Top Layer w0.3: v1(-10.708,-6.888) -8.806,-8.79 -7.777,-8.79 -7.026,-9.541 -7.026,-11.346 D2.33
  Bottom Layer w0.3: R23.1 -25.5,4.334 -14.278,-6.888 v1(-10.708,-6.888)
"Segment E": D2.30 R17.1 | length 50.8
  Bottom Layer w0.3: R17.1 -39.5,18.75 -40.404,17.846 -40.404,12.604 -35.146,7.346 -30.146,7.346 -14.01,-8.79 -7.01,-8.79 D2.30
"Segment F": D2.31 R18.2 | length 55.5
  Top Layer w0.3: v1(-14.7,-10.1) -14.68,-10.08 -8.3,-10.08 D2.31
  Bottom Layer w0.3: R18.2 -39.5,23.75 -41.512,21.738 -41.512,11.912 -35.838,6.238 -30.738,6.238 -14.757,-9.743 -14.757,-10.043 v1(-14.7,-10.1)
"Segment G": D2.32 R22.2 | length 55.4
  Bottom Layer w0.3: R22.2 -39.5,21.25 -40.958,19.792 -40.958,12.158 -35.592,6.792 -30.392,6.792 -12.275,-11.325 -7.015,-11.325 D2.32
Solenoid_kick: D2.16 R10.1 | length 56.7
  Top Layer w0.4: D2.16 v1(-1.154,7.72) ; v1(-2.6,-23.4) -2.6,-25.508 -1.943,-26.164 1.864,-26.164 v1(2.514,-26.814)
  Bottom Layer w0.2: 2.556,-32.519 2.556,-31
  Bottom Layer w0.4: v1(-2.6,-23.4) -2.6,-15.727 -1.154,-14.281 v1(-1.154,7.72) ; v1(2.514,-26.814) 2.514,-27.014 2.556,-27.056 2.556,-31 ; 2.556,-32.519 2.556,-38.456 2.631,-38.531 2.631,-38.971 R10.1
VCC: C2.2 C3.2 C7.1 C8.1 C9.1 D3.5 D4.5 D5.5 D6.5 D7.5 D8.5 D9.7 R5.2 X1.1 X5.1 X12.1 | length 267.2
  Top Layer w0.6: v2(-32.5,-30.6) v2(-32.5,-24.8)
  Top Layer w0.8: v2(22.3,-37) v2(22.3,-31.4) 22.227,-31.327 22.227,-25.373 v2(22.3,-25.3) ; v2(36.225,-37.175) v2(36.225,-31.713) v2(36.225,-25.3)
  Top Layer w1.2: v2(-32.34,-34.696) -32.34,-40.672 -32.312,-40.7
  Top Layer w2: X1.1 -55.044,-26.801 -41.145,-40.7 -32.312,-40.7 -21.7,-40.7 -21.672,-40.728 ; X5.1 -21.672,-40.728 ; v2(36.85,-41.5) 36.05,-40.7 -21.644,-40.7 -21.672,-40.728
  Bottom Layer w0.5: C2.2 D9.7
  Bottom Layer w0.6: C7.1@-32.525,-32.315 D3.5 ; D6.5 -32.512,-23.705 -32.512,-24.787 v2(-32.5,-24.8) ; X12.1@-20.176,35.096 R5.2@-20.176,38.1 ; D4.5@22.3,-32.091 v2(22.3,-31.4) ; D7.5 v2(22.3,-25.3) ; D8.5 v2(36.225,-31.713) ; D5.5 v2(36.225,-25.3)
  Bottom Layer w0.8: -53.8,-2.23 C3.2 C2.2 ; C7.1@-32.525,-32.315 C7.1 ; v2(19.925,-40.7) 20.156,-40.7 22.115,-38.741 C8.1 ; C8.1@22.3,-38.616 v2(22.3,-37) ; v2(36.225,-37.175) 36.225,-39.225 36.79,-39.79 36.79,-41.44 v2(36.85,-41.5)
  Bottom Layer w1.2: v2(-32.34,-34.696) C7.1
  Bottom Layer w2: X1.1 -55.044,-17.761 -53.8,-16.517 -53.8,-2.23 -53.8,24.428 -51.128,27.1 -37.133,27.1 -34.733,29.5 -30.484,29.5 -24.984,35 X12.1 X12.1@-20.176,35.096
pads on no net: D2.0 D2.1 D2.2 D2.3 D2.34 D2.35 D2.36 D2.37 D2.38 D2.39 D2.40 D2.41 D2.42 D2.43 D2.44 D2.45 D2.46 D2.47 D2.48 D2.49 D2.50 D2.51 D2.55 D2.58 D2.59 D2.60 D2.61 D2.62 D2.63 D2.64 D2.65 D2.66 D2.67 D2.68 D2.69 D2.70 D2.71 D2.72 D2.74 N1.8 SB1.3 SB2.3 SB3.3 VD2.4 X7. X7.0 X7.5 X7.6 X7.8 X7.10

## Polygon pours and split planes (outlines as drawn)
GND on Top Layer "GND_L01_P000" (solid, remove dead copper, pour order 0): 207 vertices, not listed, extent -65.065,-64.291 64.929,42.041
GND on Bottom Layer "GND_L02_P001" (solid, remove dead copper, pour order 1): 207 vertices, not listed, extent -64.997,-64.332 64.997,42

## Silkscreen, mask and mechanical layers (free items; w line width, h text height)
Top Overlay:
  text "IR Led" at -44.144,28.411 h3 r180
  text "PWM" at -15.52,21.779 h2 r270
  text "GND" at -20.707,21.711 h2 r270
  text "5V" at -18.207,21.324 h2 r270
  text "5V" at 41.782,20.026 h2 r90
  text "GND" at -46.057,19.811 h2 r270
  text "5V" at -48.807,19.374 h2 r270
  text "SIGNAL" at 44.557,17.476 h2 r90
  text "Phototransistor" at 38.359,17.445 h3 r90
  text "5V" at 51.873,-37.941 h2 r58
  text "5V" at -48.85,-41.391 h2 r314.46
  text "Designed by Fedor Orlov / with the support of Ilya Ustinov / Presidential Physics and Mathematics Lyceum #239" at -42.785,-43.3 h3
  text "5V" at 39.343,-50.476 h2 r42
Outline:
  drawing of 214 lines, arcs and shapes, not listed